# Altium PCB LimeSDR-Micro_M.2_2280_1v0.PcbDoc (part 4 of 7)
Units mm, origin at the board's own origin, x right, y up, seen from the top; angles counter-clockwise.
Board outline 80 x 22 mm, 8 copper layers (Top, L2, L3, L4, L5, L6, L7, Bottom), stack 0.775 mm thick; 671 components, 387 nets, 2350 pads, 853 vias.
Unrouted connection lines stored in the file: 254.
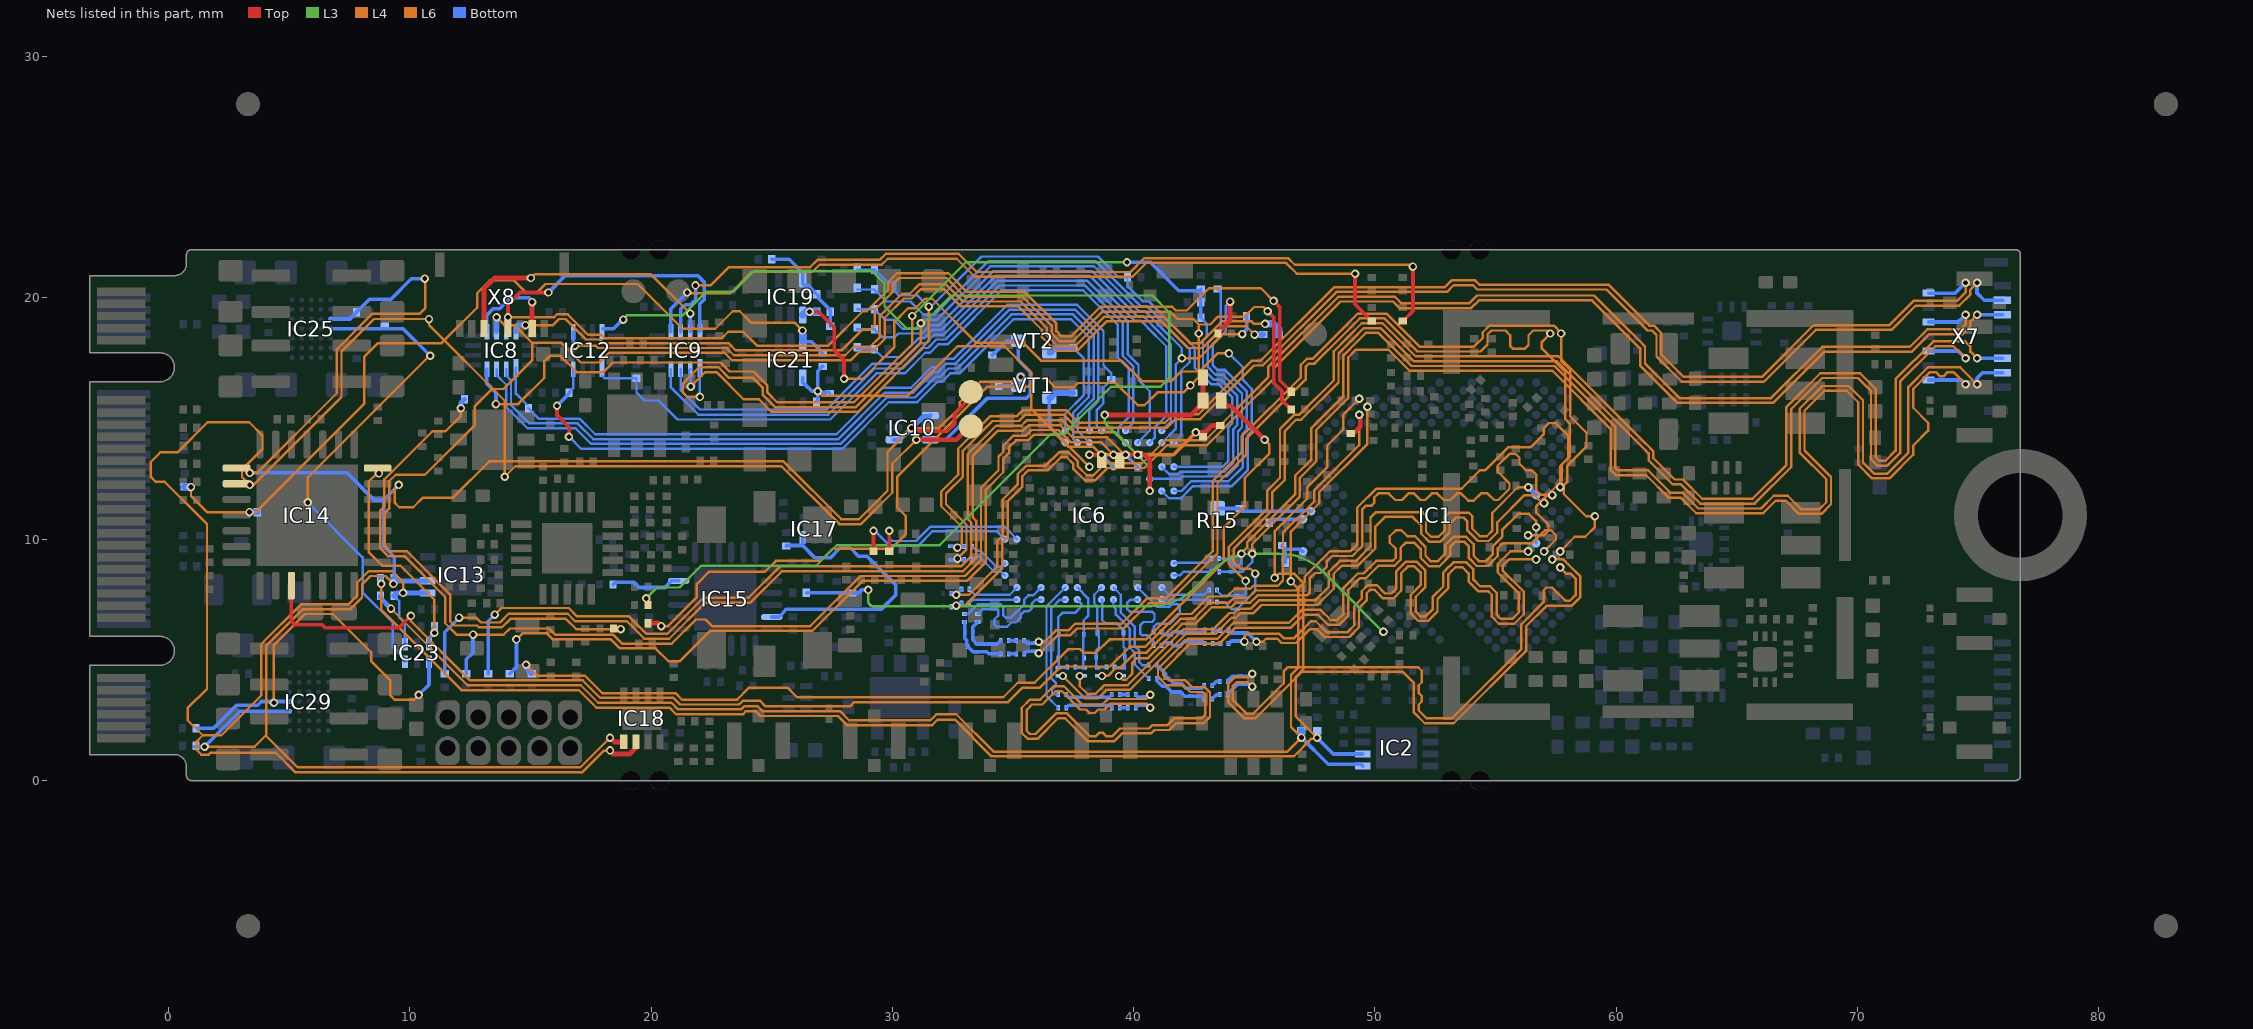
[diagram p10: the nets of this part, all layers, seen from the top]

## Via types
v1: diameter 0.35, hole 0.2, Top to Bottom, tented both sides, 702 vias
v2: diameter 0.35, hole 0.2, L5 to Bottom, tented both sides, 109 vias
v3: diameter 0.4, hole 0.2, Top to Bottom, tented both sides, 30 vias
v4: diameter 0.5, hole 0.2, Top to Bottom, tented both sides, 12 vias

## Nets (pads, with @x,y where several pads share a name; then routed paths per layer and width w, separated by ;. In a path a pad name is that pad's centre, name@x,y a point inside that pad or via, vN(x,y) a via of type N, cw(c..) or ccw(c..) an arc to the next point about the centre after c; other vN are vias at no path point) (continued)
I2C_SDA_SEL: IC14.28 IC23.6 R194.1 | length 9.4
  Top w0.3: v1(8.725,12.725) IC14.28@8.725,12.886
  L6 w0.1: v1(8.725,12.725) 8.64,12.725 8.3,12.385 8.3,9.467 8.867,8.9 9.617,8.9 11.025,7.492 v2(11.025,6.125)
  Bottom w0.15: IC23.6@10.8,5.65 10.8,5.9 10.955,6.055 10.955,6.3 11.03,6.375 R194.1@11.03,6.4
JTAG_RST: D3.C R95.2 | length 41.2
  Top w0.2: D3.C@43.625,15.75 43.625,15.673 43.773,15.525 44.025,15.525 v1(45.425,14.125)
  L6 w0.1: v2(14.825,4.8) 15.275,4.35 17.253,4.35 17.978,3.625 21.016,3.625 21.291,3.35 23.567,3.35 24.067,3.85 25.65,3.85 26.05,3.45 34.6,3.45 35.2,4.05 35.899,4.05 37.299,5.45 37.775,5.45 37.925,5.3 38.45,5.3 39,5.85 40.508,5.85 43.741,9.083 43.741,10.491 44.6,11.35 44.6,12.525 45.625,13.55 45.625,13.925 v1(45.425,14.125)
  Bottom w0.2: v2(14.825,4.8) 14.854,4.771 14.854,4.626 14.975,4.505 14.975,4.48 15.025,4.43 R95.2@15.05,4.43
LA_CFG_BOOT_HO: IC6.R14 R119.2 R128.1 | length 19.3
  Bottom w0.1: R119.2@28.55,18.7 R128.1@29.265,18.7 29.265,18.675 29.365,18.575 29.39,18.575 29.59,18.375 30.1,18.375 30.25,18.525 31.224,18.525 31.574,18.875 31.949,18.875 34.189,21.115 38.269,21.115 40.134,19.25 40.383,19.25 40.458,19.175 40.467,19.175 40.775,18.867 40.775,18.858 41.55,18.083 41.55,14.883 IC6.R14@41.167,14.5
LA_CFG_BOOT_SRC0: IC6.M14 IC8.4 R117.2 R125.1 R126.1 | length 48.4
  L3 w0.1: v1(30.825,19.25) 33.05,21.475 v1(39.725,21.475)
  L6 w0.1: v2(13.575,15.6) 14.492,15.6 15.575,16.683 15.575,17.367 15.808,17.6 16.25,17.6 16.925,16.925 18.025,16.925 18.425,17.325 22.878,17.325 23.253,16.95 24.25,16.95 24.825,16.375 24.825,16.075 25.225,15.675 28.41,15.675 30.825,18.09 v1(30.825,19.25)
  Bottom w0.1: IC6.M14@41.167,13 41.467,12.7 41.833,12.7 41.933,12.8 43.766,12.8 44.125,13.159 44.125,14.541 44.141,14.556 44.141,14.574 44.291,14.724 44.291,15.95 43.624,16.616 43.308,16.616 42.875,17.05 42.875,18.24 43.025,18.39 43.025,18.937 R126.1@42.787,19.175
  Bottom w0.15: IC8.4@13.2,17.05 13.2,16.45 13.575,16.075 v2(13.575,15.6) ; v1(39.725,21.475) 40.7,21.475 41.875,20.3 42.722,20.3 R125.1@42.787,20.365 R126.1@42.787,19.175
LA_CFG_BOOT_SRC1: IC6.P15 R118.2 R127.1 | length 20.8
  Bottom w0.1: R118.2@28.55,20.35 R127.1@29.265,20.35 29.265,20.325 29.365,20.225 29.39,20.225 29.765,19.85 30.75,19.85 31.3,19.3 31.75,19.3 33.965,21.515 38.435,21.515 40.3,19.65 40.549,19.65 40.624,19.575 40.633,19.575 41.175,19.033 41.175,19.024 42.325,17.874 42.325,17.35 41.975,17 41.975,14.308 IC6.P15@41.667,14
LA_CFG_PCIE_GEN: IC6.P13 R124.2 R133.1 | length 19.8
  Bottom w0.1: R124.2@28.55,17.875 R133.1@29.265,17.875 29.265,17.866 29.581,17.55 30.305,17.55 31.08,18.325 31.307,18.325 31.657,18.675 32.032,18.675 34.272,20.915 38.186,20.915 40.051,19.05 40.3,19.05 40.375,18.975 40.385,18.975 40.575,18.785 40.575,18.775 41.35,18 41.35,15.108 40.867,14.624 40.867,14.2 IC6.P13@40.667,14
LA_CFG_RST_HNDSHK: IC6.P14 IC9.1 R120.2 R129.1 R136.1 | length 39.5
  L6 w0.1: v2(22.025,15.9) 21.5,15.9 21.325,16.075 21.325,16.46 21.99,17.125 22.795,17.125 23.235,16.685 24.232,16.685 24.625,16.292 24.625,15.992 25.142,15.475 28.492,15.475 31.175,18.158 v2(31.175,18.95) ; v1(42,17.5) 42.709,17.5 43.709,18.5 v1(44.5,18.5)
  Bottom w0.1: v2(22.025,15.9) IC9.1@22.025,17.1 ; R120.2@28.55,19.525 R129.1@29.265,19.525 29.265,19.5 29.365,19.4 29.39,19.4 29.69,19.1 30.05,19.1 30.425,18.725 30.95,18.725 v2(31.175,18.95) 31.325,19.1 31.85,19.1 34.065,21.315 38.352,21.315 40.217,19.45 40.466,19.45 40.541,19.375 40.55,19.375 40.975,18.95 40.975,18.941 42,17.916 v1(42,17.5) 41.75,17.25 41.75,14.583 IC6.P14@41.167,14
  Bottom w0.15: v1(44.5,18.5) 44.5,18.508 44.68,18.688 R136.1@44.68,19.25
LA_CFG_TEST_PORT_DIS: IC6.M15 IC9.2 R121.2 R130.1 R134.1 | length 39.8
  L6 w0.1: v2(21.65,16.325) 22.25,16.925 22.712,16.925 23.837,15.8 24.475,15.8 25,15.275 28.575,15.275 31.513,18.212 v2(31.513,19.637)
  Bottom w0.1: IC9.2@21.625,17.05 21.575,17 21.575,16.75 21.65,16.825 v2(21.65,16.325) ; R121.2@28.55,21.175 R130.1@29.265,21.175 29.265,21.15 29.365,21.05 29.39,21.05 29.765,20.675 30.037,20.675 30.125,20.587 30.125,20.25 30.275,20.1 31.05,20.1 v2(31.513,19.637) 31.612,19.637 33.69,21.715 38.518,21.715 39.383,20.85 R134.1@39.745,20.85 39.745,20.488 40.383,19.85 40.631,19.85 40.706,19.775 40.716,19.775 41.375,19.116 41.375,19.106 42.525,17.956 42.525,17.117 43.225,16.416 43.541,16.416 44.091,15.867 44.091,14.806 43.941,14.656 43.941,14.639 43.925,14.624 43.925,13.242 43.683,13 IC6.M15@41.667,13
LA_DCS_CLK_N: IC6.F2 R86.2 | length 7
  Top w0.15: R86.2@29.87,9.505 v1(29.87,10.355) v1@29.87,10.405
  Bottom w0.1: v1(29.87,10.355) 29.87,10.055 30,9.925 30.975,9.925 31.575,10.525 34.642,10.525 IC6.F2@35.167,10
LA_DCS_CLK_P: IC6.F1 R82.2 | length 7
  Top w0.15: R82.2@29.22,9.505 v1(29.22,10.355) v1@29.22,10.405
  Bottom w0.1: v1@29.245,10.38 29.9,9.725 31.058,9.725 31.658,10.325 34.342,10.325 IC6.F1@34.667,10
LA_GPIO_05: IC6.L13 R137.1 | length 12.4
  Bottom w0.1: IC6.L13@40.667,12.5 41.916,12.5 42.016,12.6 43.849,12.6 44.325,13.076 44.325,14.458 44.341,14.474 44.341,14.491 44.491,14.641 44.491,16.033 43.707,16.816 43.391,16.816 43.075,17.133 43.075,18.158 43.612,18.695 R137.1@43.612,20.29 ; R137.1@43.462,20.365 R137.1@43.487,20.365 R137.1@43.512,20.34 ; R137.1@43.512,20.365 R137.1@43.512,20.34 ; R137.1@43.587,20.265 R137.1@43.512,20.34
LA_GPIO_06: IC6.K15 R138.1 | length 12.8
  Top w0.2: R138.1@43.495,18.525 43.495,18.573 44,19.078 v1(44,19.85)
  Bottom w0.1: IC6.K15@41.667,12 41.983,12 42.383,12.4 43.931,12.4 44.525,12.994 44.525,14.375 44.691,14.541 44.691,16.116 43.79,17.016 43.474,17.016 43.275,17.215 43.275,18.075 43.825,18.625 43.825,19.008 43.82,19.013 43.82,19.67 v1(44,19.85)
LA_HRESET: D1.A D2.A D3.A IC6.K13 R72.2 | length 12
  Top w0.2: v1(38.8,15.15) 42.38,15.15 42.875,15.645 D3.A@42.875,15.75 D1.A@42.875,16.7 ; D2.A@39.341,13.5 40.466,13.5 40.667,13.299 v1(40.667,12)
  L3 w0.1: v1(38.8,15.15) 38.8,14.841 40.667,12.974 v1(40.667,12)
LA_I2C_SCL: IC10.1 IC10.4 IC13.6 IC14.8 IC18.5 IC25.E5 IC29.E5 R26.1 R143.2 R203.2 R221.2 TP4.1 VT1.D | length 102.4
  Top w0.15: v1(30.794,14.605) 30.998,14.605 31.128,14.475 32.272,14.475 32.575,14.778 32.575,15.205 33.25,15.88 TP4.1@33.25,16.1
  Top w0.2: v1(18.3,1.775) 18.475,1.6 IC18.5@18.875,1.6
  Top w0.3: IC14.8@2.825,12.95 3.25,12.95 3.25,12.889 3.375,12.764 v1(3.375,12.75)
  L6 w0.1: v1(1.5,1.4) 3.575,1.4 4.038,1.863 ; v1(3.375,12.75) 3.675,12.75 6.975,16.05 6.975,17.865 8.46,19.35 10.425,19.35 10.65,19.575 10.65,20.775 v1(10.625,20.8) ; v2(9.325,8.15) 9,8.475 8.383,8.475 8.025,8.117 8.025,7.583 7.545,7.102 5.582,7.102 4.05,5.57 4.05,1.875 4.038,1.863 ; v1@9.675,12.25 v1(9.55,12.25) 9.375,12.075 9.375,11.515 9.565,11.325 10.15,11.325 10.55,11.725 11.8,11.725 13.3,13.225 25.487,13.225 27.887,10.825 28.617,10.825 29.8,12.008 29.8,13.611 v1(30.794,14.605) 31.94,14.605 32.8,15.465 32.8,15.675 33.65,16.525 35.125,16.525 v1(35.321,16.721) ; v1(18.3,1.775) 17.075,0.55 5.35,0.55 4.038,1.863
  Bottom w0.15: R221.2@1.1,1.4 v1(1.5,1.4) 2.975,2.875 4.225,2.875 IC29.E5@5.025,2.875 ; v1(3.375,12.75) 7.4,12.75 8.525,11.625 8.925,11.625 ; IC25.E5@6.725,19.125 7.525,19.125 R203.2@7.8,19.4 7.8,19.425 7.875,19.5 7.888,19.5 8.338,19.95 9.225,19.95 10.065,20.79 10.615,20.79 v1(10.625,20.8) ; R26.1@9.355,8.375 9.355,9.27 8.925,9.7 8.925,11.625 ; v1(9.55,12.25) 8.925,11.625 ; R143.2@34.41,16.35 VT1.D@35.221,16.35
  Bottom w0.2: R26.1@9.455,8.275 IC13.6@10.75,8.275 ; IC10.1@30.075,14.125 30.314,14.125 v1(30.794,14.605) 31.274,15.085 31.535,15.085 IC10.4@31.575,15.125
  Bottom w0.25: v2(9.325,8.15) 9.34,8.165 9.34,8.36 R26.1@9.355,8.375
  Bottom w0.4: VT1.D@35.221,16.35 35.271,16.35 35.321,16.4 v1(35.321,16.721)
LA_I2C_SCL_LS: IC6.P6 R144.2 VT1.S | length 3.3
  Bottom w0.1: 37.239,16.063 37.264,16.063 R144.2@37.364,15.963
  Bottom w0.15: VT1.S@36.511,15.86 36.511,14.656 IC6.P6@37.167,14
  Bottom w0.25: VT1.S@36.511,15.86 36.561,15.86 36.763,16.063 37.239,16.063 ; 37.264,16.063 R144.2@37.489,16.063
LA_I2C_SDA: IC10.6 IC13.5 IC14.9 IC18.6 IC23.4 R30.1 R148.2 TP5.1 VT2.D | length 110.2
  Top w0.2: v1(18.3,1.25) 18.45,1.1 19.125,1.1 19.375,1.35 IC18.6@19.375,1.6 ; v1(31,14.125) 32.65,14.125 TP5.1@33.25,14.725
  Top w0.3: IC14.9@2.825,12.3 3.311,12.3 3.361,12.25 v1(3.375,12.25)
  L4 w0.1: v1(10.8,19.125) 10.8,18.875 13.938,15.737 v1(13.938,12.588)
  L6 w0.1: v2(9.725,7.775) 9.725,8.225 9.275,8.675 8.3,8.675 7.825,8.2 7.825,7.665 7.462,7.302 5.499,7.302 3.85,5.653 3.85,3.525 2.2,1.875 1.425,1.875 ; v1(10.8,19.125) 8.517,19.125 7.175,17.783 7.175,15.9 3.525,12.25 v1(3.375,12.25) 3.05,12.575 3.05,12.885 3.9,13.735 3.9,14.3 3.35,14.85 1.625,14.85 0.375,13.6 -0.335,13.6 -0.725,13.21 -0.725,12.575 -0.53,12.38 -0.155,12.38 1.6,10.625 1.6,3.8 0.8,3 0.8,2.5 1.425,1.875 ; v1(13.938,12.588) 14.375,13.025 25.405,13.025 27.805,10.625 28.7,10.625 30,11.925 30,13.125 v1(31,14.125) ; v1(18.3,1.25) 18.291,1.241 18.049,1.241 17.158,0.35 5.25,0.35 4.45,1.15 1.74,1.15 1.665,1.075 1.365,1.075 1.175,1.265 1.175,1.625 1.425,1.875
  Bottom w0.1: R30.1@9.355,7.65 9.355,7.625 9.455,7.525 9.48,7.525 9.575,7.43 9.575,6.75 9.8,6.525 IC23.4@9.8,5.65
  Bottom w0.15: v1(31,14.125) IC10.6@31.575,14.125 32.22,14.125 33.945,15.85 35.575,15.85 35.725,16 35.725,16.925 35.221,17.429 VT2.D@35.221,18.225 34.74,18.225 R148.2@34.15,17.635
  Bottom w0.2: R30.1@9.355,7.65 9.355,7.675 9.405,7.725 9.43,7.725 9.48,7.775 v2(9.725,7.775) IC13.5@10.75,7.775
LA_I2C_SDA0: IC23.3 IC25.D5 R205.2 | length 21
  L6 w0.1: v2(5.775,11.525) 5.775,12.565 v2@10.83,17.62
  Bottom w0.1: v2(5.775,11.525) 8.05,9.25 8.05,8.068 8.05,7.79 9.3,6.54 9.3,5.55 9.8,5.05 IC23.3@9.8,4.925
  Bottom w0.15: IC25.D5@6.725,18.725 9.725,18.725 v2(10.85,17.6)
LA_I2C_SDA1: IC23.1 IC29.D5 R220.2 | length 16.9
  L6 w0.1: v2(4.375,3.225) 4.375,5.612 5.665,6.902 6.813,6.902 8.4,5.315 8.4,4.95 9.2,4.15 9.2,3.525 9.375,3.35 10.175,3.35 v2(10.375,3.55)
  Bottom w0.15: R220.2@1.15,2.175 1.875,2.175 2.825,3.125 3.7,3.125 3.85,3.275 IC29.D5@5.025,3.275 ; v2(10.375,3.55) 10.8,3.975 IC23.1@10.8,4.925
LA_I2C_SDA_LS: IC6.R6 R147.2 VT2.S | length 5
  Bottom w0.1: IC6.R6@37.167,14.5 37.167,15.199 37.941,15.974 37.941,16.861 37.941,17.486 R147.2@37.489,17.938
  Bottom w0.25: VT2.S@36.511,17.735 36.561,17.735 36.763,17.938 R147.2@37.489,17.938
LA_LED1: IC9.9 R141.2 | length 33.2
  Top w0.15: v1(49.175,21) 49.175,19.733 49.775,19.133 49.775,19.12 49.85,19.045 R141.2@49.875,19.045
  L6 w0.1: v2(21.5,20.225) 21.532,20.193 23.285,20.193 24.167,21.075 26.683,21.075 26.983,21.375 29.559,21.375 29.809,21.625 32.667,21.625 33.417,20.875 39.95,20.875 40.525,21.45 46.317,21.45 46.767,21 v1(49.175,21)
  Bottom w0.15: IC9.9@20.825,18.6 20.825,19.55 v2(21.5,20.225)
LA_LED1_LS: IC6.R11 IC9.4 | length 27.6
  Bottom w0.1: IC9.4@20.825,17.05 20.825,16.292 21.955,15.162 27.345,15.162 29.258,17.075 30.431,17.075 31.281,17.925 31.473,17.925 31.823,18.275 32.198,18.275 34.438,20.515 37.989,20.515 39.55,18.954 39.55,17.592 39.991,17.151 39.991,14.824 IC6.R11@39.667,14.5
LA_LED2: IC9.10 R146.2 | length 35.6
  Top w0.15: R146.2@51.15,19.045 51.175,19.045 51.25,19.12 51.25,19.133 51.575,19.458 v1@51.575,21.2
  L6 w0.1: v2(21.844,20.518) 22.468,20.518 23.225,21.275 26.6,21.275 26.9,21.575 29.476,21.575 29.726,21.825 32.75,21.825 33.5,21.075 39.867,21.075 40.442,21.65 46.4,21.65 46.675,21.375 51.5,21.375 v1(51.575,21.3)
  Bottom w0.15: IC9.10@21.225,18.6 21.225,19.525 21.415,19.715 21.64,19.715 21.775,19.85 21.775,19.854 21.85,19.929 v2@21.85,20.512
LA_LED2_LS: IC6.P12 IC9.3 | length 28.3
  Bottom w0.1: IC9.3@21.225,17.05 21.225,16.175 22.025,15.375 27.275,15.375 29.175,17.275 30.348,17.275 31.198,18.125 31.39,18.125 31.74,18.475 32.115,18.475 34.355,20.715 38.072,20.715 39.75,19.037 39.75,17.675 40.2,17.225 40.2,16.6 40.666,16.134 40.666,14.499 IC6.P12@40.167,14
LA_LNA1_EN: IC9.11 X8.6 | length 11.9
  Top w0.2: X8.6@13.075,18.725 13.075,20.38 13.52,20.825 v1(15.025,20.825)
  L6 w0.1: v1(15.025,20.825) 15.175,20.975 20,20.975 v2(21.625,19.35)
  Bottom w0.15: IC9.11@21.625,18.6 IC9.11@21.65,18.625 ; IC9.11@21.625,18.625 v2(21.625,19.35)
LA_PA_EN: IC9.12 X8.4 | length 11.9
  Top w0.15: X8.4@14.075,18.725 14.075,19.725 14.575,20.225 v1(15.75,20.225)
  Bottom w0.15: v1(15.75,20.225) 16.45,20.925 21.932,20.925 22.2,20.657 22.2,19.925 22.025,19.75 IC9.12@22.025,18.6
LA_PPS_IN: IC19.3 R172.2 R175.2 R178.2 R181.1 | length 4.2
  Bottom w0.15: R172.2@25.005,21.6 25.725,21.6 26.289,21.036 IC19.3@26.289,20.79 26.289,20.591 26.364,20.516 26.504,20.516 R175.2@26.87,20.15 26.945,20.075 26.945,19.985 R181.1@27.43,19.5 ; R178.2@27.43,18.825 R181.1@27.43,19.425
LA_PPS_IN_LS: IC6.K14 IC19.4 R181.2 | length 33.5
  Top w0.15: v1(26.572,19.425) 26.944,19.425 27.6,18.769 27.6,17.825 28,17.425 v1(28,16.65)
  L6 w0.1: v1(28,16.65) 28.775,16.65 30.087,17.962 30.087,19.005 30.658,19.575 30.974,19.575 31.361,19.962 31.655,19.962 33.467,18.15 35.417,18.15 36.167,17.4 39.5,17.4 40.35,16.55 41.567,16.55 41.967,16.95 42.725,16.95 43.475,17.7 v1(43.95,17.7)
  Bottom w0.1: IC6.K14@41.167,12 41.467,11.7 41.966,11.7 42.466,12.2 44.075,12.2 44.725,12.85 44.725,14.292 44.891,14.458 44.891,16.233 44.525,16.599 44.525,17.125 v1(43.95,17.7)
  Bottom w0.3: IC19.4@26.289,19.29 26.424,19.425 R181.2@26.87,19.425
LA_PPS_OUT: IC21.3 R188.2 R191.2 R192.1 | length 35.3
  L6 w0.1: v2(0.937,12.158) 0.937,11.788 1.6,11.125 v2(3.362,11.125) 3.625,11.125 8.125,15.625 8.125,17.567 8.683,18.125 11.325,18.125 12.8,19.6 12.8,20.2 13.325,20.725 14.318,20.725 14.818,20.225 15.275,20.225 15.625,20.575 19.45,20.575 21.3,18.725 22.665,18.725 23.39,19.45 23.675,19.45 24.15,18.975 25.95,18.975 v1(26.275,18.65)
  Bottom w0.15: IC21.3@26.289,18.19 26.644,18.19 27.014,17.82 27.014,17.795 27.089,17.72 R192.1@27.114,17.72
  Bottom w0.25: v2(3.362,11.125) R191.2@3.688,11.125
  Bottom w0.3: R188.2@0.675,12.17 0.911,12.17 0.923,12.158 v2(0.937,12.158) ; v1(26.275,18.65) 26.275,18.636 26.289,18.622 IC21.3@26.289,18.19
LA_PPS_OUT_LS: IC6.M8 IC21.4 R122.2 R131.1 R192.2 | length 18.1
  L4 w0.1: v1(26.91,16.129) 27.089,15.95 30.65,15.95 32.7,18 34.65,18 35.75,16.9 35.75,15.417 v1(38.167,13)
  Bottom w0.15: IC21.4@26.289,16.69 26.289,16.49 26.364,16.415 26.385,16.415 26.671,16.129 v1(26.91,16.129) ; R131.1@26.855,15.7 26.91,15.755 v1(26.91,16.129) ; v1@26.91,16.279 26.91,16.956 27.014,17.06 27.014,17.085 27.089,17.16 R192.2@27.114,17.16 ; R122.2@27.401,16.04 27.361,16.08 27.013,16.08 26.964,16.129 v1(26.91,16.129)
LA_RO0_EXT_I_N: R97.2 R106.1 X7.3 | length 56.7
  L6 w0.1: v2(32.7,9.2) 33.075,9.575 33.075,10.6 32.225,11.45 32.225,11.892 32.925,12.592 32.925,12.95 32.925,13.667 34.158,14.9 35.25,14.9 35.5,15.15 37.108,15.15 37.633,14.625 41.383,14.625 41.508,14.75 ; 41.508,14.75 41.733,14.975 42.758,14.975 44.983,17.2 45.351,17.2 48.401,20.25 52.983,20.25 53.258,20.525 54.067,20.525 54.242,20.35 59.591,20.35 61.291,18.65 61.475,18.65 61.666,18.46 61.666,17.575 62.716,16.525 66.116,16.525 68.266,18.675 71.4,18.675 72.4,19.675 74.208,19.675 74.675,20.142 74.675,20.35 v2(74.95,20.625)
  Bottom w0.15: R106.1@32.426,9.15 R97.2@32.975,9.15 ; v2(74.95,20.625) 74.95,20.2 75.25,19.9 X7.3@76.008,19.9
LA_RO0_EXT_I_P: R96.2 R105.1 X7.2 | length 56.2
  L6 w0.1: v2(32.695,9.655) 32.875,9.835 32.875,10.517 32.025,11.367 32.025,11.975 32.725,12.675 32.725,13.75 34.075,15.1 35.167,15.1 35.417,15.35 37.191,15.35 37.716,14.825 41.3,14.825 41.65,15.175 42.675,15.175 44.9,17.4 45.269,17.4 48.319,20.45 52.9,20.45 53.175,20.725 54.15,20.725 54.325,20.55 59.674,20.55 61.374,18.85 61.558,18.85 61.866,18.542 61.866,17.658 62.799,16.725 66.033,16.725 68.183,18.875 71.317,18.875 72.317,19.875 74.125,19.875 74.475,20.225 v2(74.475,20.625)
  Bottom w0.15: R105.1@32.421,9.705 R96.2@32.97,9.705 ; X7.2@72.943,20.2 74.05,20.2 v2(74.475,20.625)
LA_RO0_EXT_Q_N: R99.2 R108.1 X7.6 | length 56.1
  L6 w0.1: v2(32.651,7.7) 33.175,7.7 34.35,8.875 34.35,9.925 34.575,10.15 34.575,11.651 35.191,12.267 35.191,12.692 35.498,13 35.5,13 35.55,13.05 36.35,13.05 36.9,13.6 37.107,13.6 37.309,13.6 37.692,13.217 37.692,13.015 38.057,12.65 38.333,12.65 38.833,13.15 40.358,13.15 41.308,14.1 42.967,14.1 45.575,16.708 45.575,17.141 48.484,20.05 50.825,20.05 51.1,19.775 53.9,19.775 54.225,20.1 59.081,20.1 59.534,19.648 60.366,18.816 60.916,18.266 61.191,17.991 61.191,17.283 62.624,15.85 66.417,15.85 68.542,17.975 72.167,17.975 72.892,18.7 74.275,18.7 74.475,18.9 v2(74.475,19.3)
  Bottom w0.15: R108.1@32.436,7.75 32.696,7.75 32.839,7.893 32.866,7.893 R99.2@32.866,7.925 ; X7.6@72.943,19 74.175,19 v2(74.475,19.3)
LA_RO0_EXT_Q_P: R98.2 R107.1 X7.5 | length 56
  L6 w0.1: v2(32.651,7.25) 33.008,7.25 34.55,8.792 34.55,9.842 34.775,10.067 34.775,11.568 35.391,12.184 35.391,12.61 35.581,12.8 35.583,12.8 35.633,12.85 36.433,12.85 36.983,13.4 37.226,13.4 37.492,13.135 37.492,12.933 37.974,12.45 38.016,12.45 38.416,12.45 38.916,12.95 40.441,12.95 41.391,13.9 43.05,13.9 44.475,15.325 45.775,16.625 45.775,17.058 48.567,19.85 50.742,19.85 51.017,19.575 53.983,19.575 54.308,19.9 58.999,19.9 60.991,17.908 60.991,17.2 62.541,15.65 66.5,15.65 68.625,17.775 72.25,17.775 72.975,18.5 74.358,18.5 74.675,18.817 74.675,19.025 v2(74.95,19.3)
  Bottom w0.15: R107.1@32.436,7.2 32.655,7.2 32.772,7.318 32.866,7.318 R98.2@32.866,7.35 ; v2(74.95,19.3) X7.5@76.008,19.3
LA_RO0_I_N: IC6.C1 R97.1 | length 1.8
  Bottom w0.1: R97.1@33.305,9.15 33.48,9.325 33.55,9.325 34.225,8.65 34.508,8.65 34.658,8.5 IC6.C1@34.667,8.5
LA_RO0_I_P: IC6.D1 R96.1 | length 1.8
  Bottom w0.1: R96.1@33.3,9.705 33.48,9.525 33.65,9.525 34.325,8.85 34.508,8.85 34.658,9 IC6.D1@34.667,9
LA_RO0_Q_N: IC6.B2 R99.1 | length 2.2
  Bottom w0.1: R99.1@33.196,7.925 33.421,7.7 34.867,7.7 IC6.B2@35.167,8
LA_RO0_Q_P: IC6.A2 R98.1 | length 2
  Bottom w0.1: R98.1@33.196,7.35 33.346,7.5 IC6.A2@35.167,7.5
LA_RO1_EXT_I_N: R101.2 R110.1 X7.11 | length 55.9
  L6 w0.1: v2(44.641,8.275) 43.941,8.975 43.941,9.675 45.541,11.275 45.541,12.025 46.066,12.55 46.066,14.567 46.649,15.15 46.858,15.15 48.291,16.583 48.291,17.784 48.886,18.379 ; 48.886,18.38 49.455,18.95 50.314,18.95 51.684,17.58 57.601,17.58 61.106,14.075 61.108,14.075 61.416,13.767 61.416,13.765 61.541,13.64 61.541,13.358 62.424,12.475 62.766,12.475 63.566,11.675 65.65,11.675 67.05,13.075 67.05,15.475 68.455,16.88 70.103,16.88 70.755,16.228 70.755,13.395 70.9,13.25 71.15,13.25 71.575,13.675 71.575,16.2 71.575,16.633 73.142,18.2 73.575,18.2 74.458,18.2 74.675,17.983 74.675,17.775 v2(74.95,17.5)
  Bottom w0.1: R101.2@43.456,7.9 43.456,7.868 43.673,7.65 R110.1@44.281,7.65 44.548,7.65 44.641,7.743 v2(44.641,8.275)
  Bottom w0.15: v2(74.95,17.5) X7.11@76.008,17.5
LA_RO1_EXT_I_P: R100.2 R109.1 X7.10 | length 56.4
  L6 w0.1: v2(45.041,8.575) 44.841,8.775 44.424,8.775 44.141,9.058 44.141,9.592 45.741,11.192 45.741,11.467 45.741,11.942 46.266,12.467 46.266,14.484 46.731,14.95 46.941,14.95 48.491,16.5 48.491,17.701 49.086,18.296 ; 49.086,18.297 49.538,18.75 50.231,18.75 51.601,17.38 57.518,17.38 61.023,13.875 61.025,13.875 61.216,13.685 61.216,13.683 61.341,13.558 61.341,13.275 62.341,12.275 62.683,12.275 63.483,11.475 65.733,11.475 67.25,12.992 67.25,15.392 68.538,16.68 70.02,16.68 70.555,16.145 70.555,13.312 70.817,13.05 71.233,13.05 71.775,13.592 71.775,16.55 73.225,18 73.975,18 v2(74.475,17.5)
  Bottom w0.1: R100.2@43.456,7.4 43.766,7.4 44.066,7.1 R109.1@44.281,7.1 45.041,7.86 v2(45.041,8.575)
  Bottom w0.15: X7.10@72.943,17.8 74.175,17.8 v2(74.475,17.5)
LA_RO1_EXT_Q_N: R103.2 R112.1 X7.14 | length 56.5
  L6 w0.1: v2(44.916,9.4) 44.916,9.8 46.891,11.775 46.891,12.55 47.566,13.225 47.566,14.525 48.891,15.85 48.891,17.536 49.2,17.845 50.571,17.845 51.436,16.98 57.353,16.98 59.766,14.567 59.766,12.875 59.991,12.65 61.241,12.65 62.166,11.725 62.667,11.725 63.317,11.075 66.083,11.075 66.608,11.6 67.025,11.6 67.575,11.05 68.5,11.05 68.9,11.45 68.9,12.575 67.8,13.675 67.8,15.325 68.625,16.15 69.55,16.15 70.025,15.675 70.025,13.092 70.597,12.52 71.32,12.52 72.305,13.505 72.305,13.881 72.925,14.5 72.925,14.827 72.305,15.447 72.305,16.23 73,16.925 73.244,16.925 73.419,16.75 73.556,16.75 73.731,16.925 73.975,16.925 v2(74.475,16.425)
  Bottom w0.1: R103.2@43.541,8.65 R112.1@44.041,8.65 44.516,8.65 44.916,9.05 v2(44.916,9.4)
  Bottom w0.15: X7.14@72.943,16.6 74.3,16.6 v2(74.475,16.425)
LA_RO1_EXT_Q_P: R102.2 R111.1 X7.13 | length 56.7
  L6 w0.1: v2@44.453,9.412 44.716,9.675 44.716,9.883 46.691,11.858 46.691,12.633 47.366,13.308 47.366,14.608 48.691,15.933 48.691,17.619 49.286,18.214 49.621,18.55 50.149,18.55 51.519,17.18 57.435,17.18 59.966,14.65 59.966,12.958 60.074,12.85 61.324,12.85 62.249,11.925 62.75,11.925 63.4,11.275 66,11.275 66.525,11.8 67.108,11.8 67.658,11.25 68.417,11.25 68.7,11.533 68.7,12.492 67.6,13.592 67.6,15.408 68.542,16.35 69.633,16.35 70.225,15.758 70.225,15.433 70.225,13.175 70.68,12.72 71.237,12.72 72.105,13.588 72.105,15.738 72.105,16.313 72.917,17.125 73.492,17.125 74.25,17.125 v2(74.95,16.425)
  Bottom w0.1: R102.2@43.541,9.2 R111.1@44.041,9.2 44.041,9.034 44.199,8.875 44.316,8.875 44.466,9.025 v2(44.466,9.4)
  Bottom w0.15: v2(74.95,16.425) 74.95,16.675 75.175,16.9 X7.13@76.008,16.9
LA_RO1_I_N: IC6.B14 R101.1 | length 2.2
  Bottom w0.1: IC6.B14@41.167,8 41.467,7.7 42.926,7.7 R101.1@43.126,7.9
LA_RO1_I_P: IC6.A14 R100.1 | length 2
  Bottom w0.1: IC6.A14@41.167,7.5 41.205,7.538 41.243,7.5 43.026,7.5 R100.1@43.126,7.4
LA_RO1_Q_N: IC6.C15 R103.1 | length 1.6
  Bottom w0.1: IC6.C15@41.667,8.5 41.916,8.5 42.066,8.65 R103.1@43.211,8.65 43.198,8.662 R103.1@43.186,8.675
LA_RO1_Q_P: IC6.D15 R102.1 | length 1.6
  Bottom w0.1: IC6.D15@41.667,9 41.692,9.025 43.036,9.025 R102.1@43.211,9.2
LA_RX0_I_N: IC6.A4 R28.1 | length 4.2